# Altium PCB FlatSat.PcbDoc (part 5 of 12)
Units mil, origin at the board's own origin, x right, y up, seen from the top; angles counter-clockwise.
Board outline 4682 x 22047 mil, 4 copper layers (Top Layer, STR GND 1, STR GND 2, Bottom Layer), stack 33.434 mil thick; 381 components, 345 nets, 1605 pads, 1915 vias.
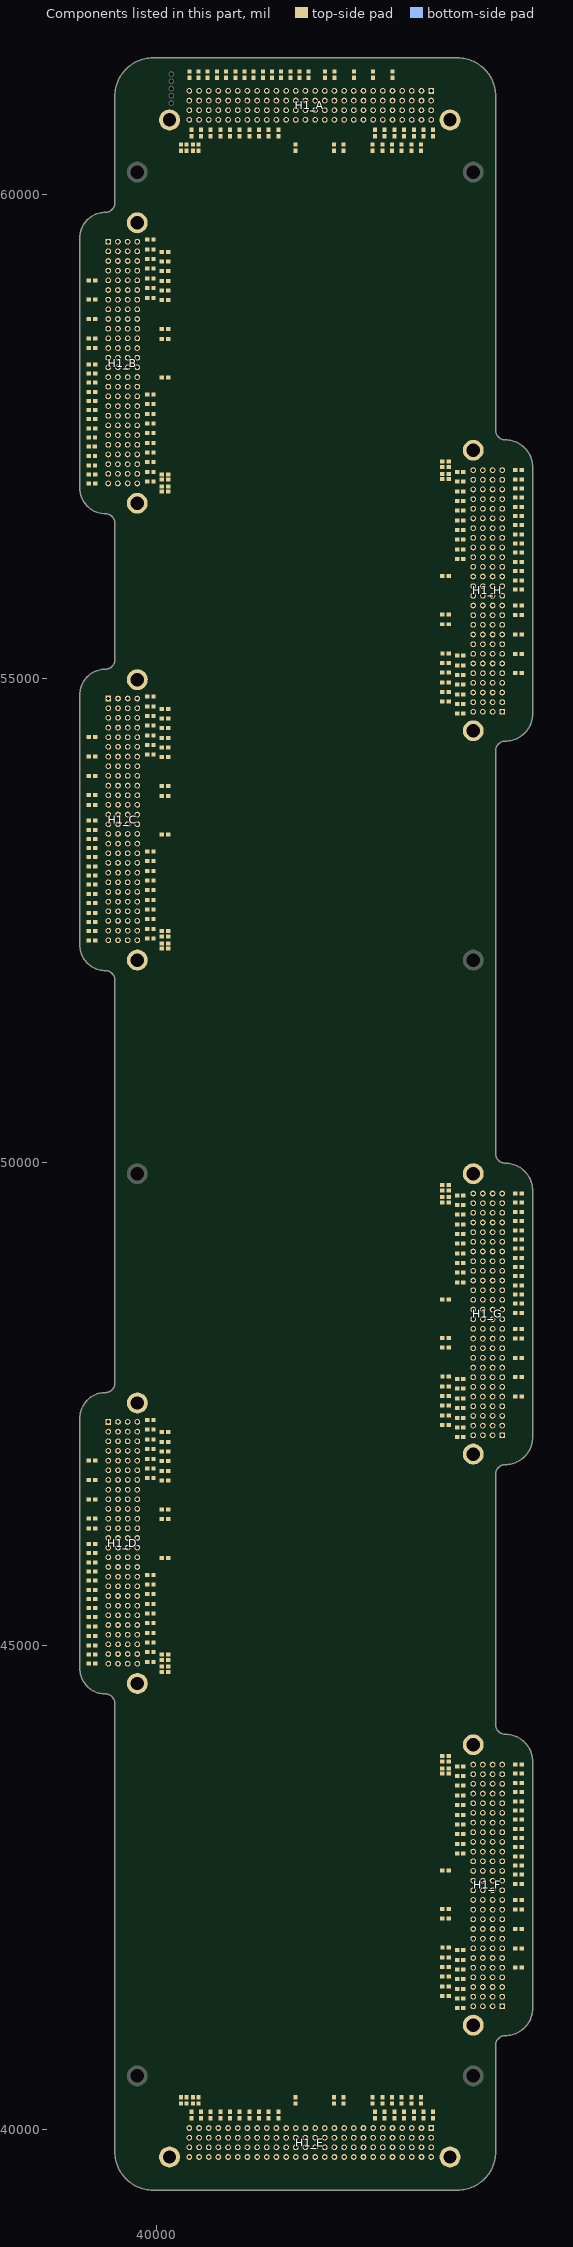
[diagram p7: the components of this part, seen from the top]

## Design rules (kind name [scope] priority, off if disabled: settings) (continued)
Width "Schematic Width Constraint_103" [InNet('NetH1_D_20')] p985: maxlimit=10 minlimit=8 preferedwidth=8
Width "Schematic Width Constraint_102" [InNet('NetH1_D_14')] p986: maxlimit=10 minlimit=8 preferedwidth=8
Width "Schematic Width Constraint_101" [InNet('NetH1_D_13')] p987: maxlimit=10 minlimit=8 preferedwidth=8
Width "Schematic Width Constraint_100" [InNet('NetH1_D_12')] p988: maxlimit=10 minlimit=8 preferedwidth=8
Width "Schematic Width Constraint_99" [InNet('NetH1_D_11')] p989: maxlimit=10 minlimit=8 preferedwidth=8
Width "Schematic Width Constraint_98" [InNet('NetH1_D_10')] p990: maxlimit=10 minlimit=8 preferedwidth=8
Width "Schematic Width Constraint_97" [InNet('NetH1_D_9')] p991: maxlimit=10 minlimit=8 preferedwidth=8
Width "Schematic Width Constraint_96" [InNet('NetH1_D_8')] p992: maxlimit=10 minlimit=8 preferedwidth=8
Width "Schematic Width Constraint_95" [InNet('NetH1_D_7')] p993: maxlimit=10 minlimit=8 preferedwidth=8
Width "Schematic Width Constraint_94" [InNet('NetH1_D_6')] p994: maxlimit=10 minlimit=8 preferedwidth=8
Width "Schematic Width Constraint_93" [InNet('NetH1_D_5')] p995: maxlimit=10 minlimit=8 preferedwidth=8
Width "Schematic Width Constraint_92" [InNet('NetH1_D_4')] p996: maxlimit=10 minlimit=8 preferedwidth=8
Width "Schematic Width Constraint_91" [InNet('NetH1_D_3')] p997: maxlimit=10 minlimit=8 preferedwidth=8
Width "Schematic Width Constraint_90" [InNet('NetH1_D_1')] p998: maxlimit=10 minlimit=8 preferedwidth=8
Width "Schematic Width Constraint_89" [InNet('NetH1_C_104')] p999: maxlimit=10 minlimit=8 preferedwidth=8
Width "Schematic Width Constraint_88" [InNet('NetH1_C_103')] p1000: maxlimit=10 minlimit=8 preferedwidth=8
Width "Schematic Width Constraint_87" [InNet('NetH1_C_102')] p1001: maxlimit=10 minlimit=8 preferedwidth=8
Width "Schematic Width Constraint_86" [InNet('NetH1_C_101')] p1002: maxlimit=10 minlimit=8 preferedwidth=8
Width "Schematic Width Constraint_85" [InNet('NetH1_C_51')] p1003: maxlimit=10 minlimit=8 preferedwidth=8
Width "Schematic Width Constraint_84" [InNet('NetH1_C_49')] p1004: maxlimit=10 minlimit=8 preferedwidth=8
Width "Schematic Width Constraint_83" [InNet('NetH1_C_47')] p1005: maxlimit=10 minlimit=8 preferedwidth=8
Width "Schematic Width Constraint_82" [InNet('NetH1_C_45')] p1006: maxlimit=10 minlimit=8 preferedwidth=8
Width "Schematic Width Constraint_81" [InNet('NetH1_C_43')] p1007: maxlimit=10 minlimit=8 preferedwidth=8
Width "Schematic Width Constraint_80" [InNet('NetH1_C_41')] p1008: maxlimit=10 minlimit=8 preferedwidth=8
Width "Schematic Width Constraint_79" [InNet('NetH1_C_39')] p1009: maxlimit=10 minlimit=8 preferedwidth=8
Width "Schematic Width Constraint_78" [InNet('NetH1_C_37')] p1010: maxlimit=10 minlimit=8 preferedwidth=8
Width "Schematic Width Constraint_77" [InNet('NetH1_C_35')] p1011: maxlimit=10 minlimit=8 preferedwidth=8
Width "Schematic Width Constraint_76" [InNet('NetH1_C_33')] p1012: maxlimit=10 minlimit=8 preferedwidth=8
Width "Schematic Width Constraint_75" [InNet('NetH1_C_30')] p1013: maxlimit=10 minlimit=8 preferedwidth=8
Width "Schematic Width Constraint_74" [InNet('NetH1_C_22')] p1014: maxlimit=10 minlimit=8 preferedwidth=8
Width "Schematic Width Constraint_73" [InNet('NetH1_C_20')] p1015: maxlimit=10 minlimit=8 preferedwidth=8
Width "Schematic Width Constraint_72" [InNet('NetH1_C_14')] p1016: maxlimit=10 minlimit=8 preferedwidth=8
Width "Schematic Width Constraint_71" [InNet('NetH1_C_13')] p1017: maxlimit=10 minlimit=8 preferedwidth=8
Width "Schematic Width Constraint_70" [InNet('NetH1_C_12')] p1018: maxlimit=10 minlimit=8 preferedwidth=8
Width "Schematic Width Constraint_69" [InNet('NetH1_C_11')] p1019: maxlimit=10 minlimit=8 preferedwidth=8
Width "Schematic Width Constraint_68" [InNet('NetH1_C_10')] p1020: maxlimit=10 minlimit=8 preferedwidth=8
Width "Schematic Width Constraint_67" [InNet('NetH1_C_9')] p1021: maxlimit=10 minlimit=8 preferedwidth=8
Width "Schematic Width Constraint_66" [InNet('NetH1_C_8')] p1022: maxlimit=10 minlimit=8 preferedwidth=8
Width "Schematic Width Constraint_65" [InNet('NetH1_C_7')] p1023: maxlimit=10 minlimit=8 preferedwidth=8
Width "Schematic Width Constraint_64" [InNet('NetH1_C_6')] p1024: maxlimit=10 minlimit=8 preferedwidth=8
Width "Schematic Width Constraint_63" [InNet('NetH1_C_5')] p1025: maxlimit=10 minlimit=8 preferedwidth=8
Width "Schematic Width Constraint_62" [InNet('NetH1_C_4')] p1026: maxlimit=10 minlimit=8 preferedwidth=8
Width "Schematic Width Constraint_61" [InNet('NetH1_C_3')] p1027: maxlimit=10 minlimit=8 preferedwidth=8
Width "Schematic Width Constraint_60" [InNet('NetH1_C_1')] p1028: maxlimit=10 minlimit=8 preferedwidth=8
Width "Schematic Width Constraint_59" [InNet('NetH1_B_104')] p1029: maxlimit=10 minlimit=8 preferedwidth=8
Width "Schematic Width Constraint_58" [InNet('NetH1_B_103')] p1030: maxlimit=10 minlimit=8 preferedwidth=8
Width "Schematic Width Constraint_57" [InNet('NetH1_B_102')] p1031: maxlimit=10 minlimit=8 preferedwidth=8
Width "Schematic Width Constraint_56" [InNet('NetH1_B_101')] p1032: maxlimit=10 minlimit=8 preferedwidth=8
Width "Schematic Width Constraint_55" [InNet('NetH1_B_51')] p1033: maxlimit=10 minlimit=8 preferedwidth=8
Width "Schematic Width Constraint_54" [InNet('NetH1_B_49')] p1034: maxlimit=10 minlimit=8 preferedwidth=8
Width "Schematic Width Constraint_53" [InNet('NetH1_B_47')] p1035: maxlimit=10 minlimit=8 preferedwidth=8
Width "Schematic Width Constraint_52" [InNet('NetH1_B_45')] p1036: maxlimit=10 minlimit=8 preferedwidth=8
Width "Schematic Width Constraint_51" [InNet('NetH1_B_43')] p1037: maxlimit=10 minlimit=8 preferedwidth=8
Width "Schematic Width Constraint_50" [InNet('NetH1_B_41')] p1038: maxlimit=10 minlimit=8 preferedwidth=8
Width "Schematic Width Constraint_49" [InNet('NetH1_B_39')] p1039: maxlimit=10 minlimit=8 preferedwidth=8
Width "Schematic Width Constraint_48" [InNet('NetH1_B_37')] p1040: maxlimit=10 minlimit=8 preferedwidth=8
Width "Schematic Width Constraint_47" [InNet('NetH1_B_35')] p1041: maxlimit=10 minlimit=8 preferedwidth=8
Width "Schematic Width Constraint_46" [InNet('NetH1_B_33')] p1042: maxlimit=10 minlimit=8 preferedwidth=8
Width "Schematic Width Constraint_45" [InNet('NetH1_B_30')] p1043: maxlimit=10 minlimit=8 preferedwidth=8
Width "Schematic Width Constraint_44" [InNet('NetH1_B_22')] p1044: maxlimit=10 minlimit=8 preferedwidth=8
Width "Schematic Width Constraint_43" [InNet('NetH1_B_20')] p1045: maxlimit=10 minlimit=8 preferedwidth=8
Width "Schematic Width Constraint_42" [InNet('NetH1_B_14')] p1046: maxlimit=10 minlimit=8 preferedwidth=8
Width "Schematic Width Constraint_41" [InNet('NetH1_B_13')] p1047: maxlimit=10 minlimit=8 preferedwidth=8
Width "Schematic Width Constraint_40" [InNet('NetH1_B_12')] p1048: maxlimit=10 minlimit=8 preferedwidth=8
Width "Schematic Width Constraint_39" [InNet('NetH1_B_11')] p1049: maxlimit=10 minlimit=8 preferedwidth=8
Width "Schematic Width Constraint_38" [InNet('NetH1_B_10')] p1050: maxlimit=10 minlimit=8 preferedwidth=8
Width "Schematic Width Constraint_37" [InNet('NetH1_B_9')] p1051: maxlimit=10 minlimit=8 preferedwidth=8
Width "Schematic Width Constraint_36" [InNet('NetH1_B_8')] p1052: maxlimit=10 minlimit=8 preferedwidth=8
Width "Schematic Width Constraint_35" [InNet('NetH1_B_7')] p1053: maxlimit=10 minlimit=8 preferedwidth=8
Width "Schematic Width Constraint_34" [InNet('NetH1_B_6')] p1054: maxlimit=10 minlimit=8 preferedwidth=8
Width "Schematic Width Constraint_33" [InNet('NetH1_B_5')] p1055: maxlimit=10 minlimit=8 preferedwidth=8
Width "Schematic Width Constraint_32" [InNet('NetH1_B_4')] p1056: maxlimit=10 minlimit=8 preferedwidth=8
Width "Schematic Width Constraint_31" [InNet('NetH1_B_3')] p1057: maxlimit=10 minlimit=8 preferedwidth=8
Width "Schematic Width Constraint_30" [InNet('NetH1_B_1')] p1058: maxlimit=10 minlimit=8 preferedwidth=8
Width "Schematic Width Constraint_29" [InNet('NetH1_A_104')] p1059: maxlimit=10 minlimit=8 preferedwidth=8
Width "Schematic Width Constraint_28" [InNet('NetH1_A_103')] p1060: maxlimit=10 minlimit=8 preferedwidth=8
Width "Schematic Width Constraint_27" [InNet('NetH1_A_102')] p1061: maxlimit=10 minlimit=8 preferedwidth=8
Width "Schematic Width Constraint_26" [InNet('NetH1_A_101')] p1062: maxlimit=10 minlimit=8 preferedwidth=8
Width "Schematic Width Constraint_25" [InNet('NetH1_A_51')] p1063: maxlimit=10 minlimit=8 preferedwidth=8
Width "Schematic Width Constraint_24" [InNet('NetH1_A_49')] p1064: maxlimit=10 minlimit=8 preferedwidth=8
Width "Schematic Width Constraint_23" [InNet('NetH1_A_47')] p1065: maxlimit=10 minlimit=8 preferedwidth=8
Width "Schematic Width Constraint_22" [InNet('NetH1_A_45')] p1066: maxlimit=10 minlimit=8 preferedwidth=8
Width "Schematic Width Constraint_21" [InNet('NetH1_A_43')] p1067: maxlimit=10 minlimit=8 preferedwidth=8
Width "Schematic Width Constraint_20" [InNet('NetH1_A_41')] p1068: maxlimit=10 minlimit=8 preferedwidth=8
Width "Schematic Width Constraint_19" [InNet('NetH1_A_39')] p1069: maxlimit=10 minlimit=8 preferedwidth=8
Width "Schematic Width Constraint_18" [InNet('NetH1_A_37')] p1070: maxlimit=10 minlimit=8 preferedwidth=8
Width "Schematic Width Constraint_17" [InNet('NetH1_A_35')] p1071: maxlimit=10 minlimit=8 preferedwidth=8
Width "Schematic Width Constraint_16" [InNet('NetH1_A_33')] p1072: maxlimit=10 minlimit=8 preferedwidth=8
Width "Schematic Width Constraint_15" [InNet('NetH1_A_30')] p1073: maxlimit=10 minlimit=8 preferedwidth=8
Width "Schematic Width Constraint_14" [InNet('NetH1_A_22')] p1074: maxlimit=10 minlimit=8 preferedwidth=8
Width "Schematic Width Constraint_13" [InNet('NetH1_A_20')] p1075: maxlimit=10 minlimit=8 preferedwidth=8
Width "Schematic Width Constraint_12" [InNet('NetH1_A_14')] p1076: maxlimit=10 minlimit=8 preferedwidth=8
Width "Schematic Width Constraint_11" [InNet('NetH1_A_13')] p1077: maxlimit=10 minlimit=8 preferedwidth=8
Width "Schematic Width Constraint_10" [InNet('NetH1_A_12')] p1078: maxlimit=10 minlimit=8 preferedwidth=8
Width "Schematic Width Constraint_9" [InNet('NetH1_A_11')] p1079: maxlimit=10 minlimit=8 preferedwidth=8
Width "Schematic Width Constraint_8" [InNet('NetH1_A_10')] p1080: maxlimit=10 minlimit=8 preferedwidth=8
Width "Schematic Width Constraint_7" [InNet('NetH1_A_9')] p1081: maxlimit=10 minlimit=8 preferedwidth=8
Width "Schematic Width Constraint_6" [InNet('NetH1_A_8')] p1082: maxlimit=10 minlimit=8 preferedwidth=8
Width "Schematic Width Constraint_5" [InNet('NetH1_A_7')] p1083: maxlimit=10 minlimit=8 preferedwidth=8
Width "Schematic Width Constraint_4" [InNet('NetH1_A_6')] p1084: maxlimit=10 minlimit=8 preferedwidth=8
Width "Schematic Width Constraint_3" [InNet('NetH1_A_5')] p1085: maxlimit=10 minlimit=8 preferedwidth=8
Width "Schematic Width Constraint_2" [InNet('NetH1_A_4')] p1086: maxlimit=10 minlimit=8 preferedwidth=8
Width "Schematic Width Constraint_1" [InNet('NetH1_A_3')] p1087: maxlimit=10 minlimit=8 preferedwidth=8
Width "Schematic Width Constraint" [InNet('NetH1_A_1')] p1088: maxlimit=10 minlimit=8 preferedwidth=8
Width [All] p1089: maxlimit=40 minlimit=6 preferedwidth=24
26 further rules are at their usual default settings.

## Classes and differential pairs
component class G: H1_G J40_G J42_G J44_G J45_G J46_G J48_G J50_G J52_G J61_G J66_G J69_G J71_G J74_G J81_G J82_G J83_G J84_G J99_G J100_G R1_G R3_G R4_G R5_G R6_G R7_G R8_G R9_G R10_G R11_G R12_G R13_G R14_G R20_G R22_G R30_G R33_G R35_G R37_G R39_G R41_G R43_G R45_G R47_G R49_G R51_G R101_G R102_G R103_G R104_G
component class F: H1_F J40_F J42_F J44_F J45_F J46_F J48_F J50_F J52_F J61_F J66_F J69_F J71_F J74_F J81_F J82_F J83_F J84_F J99_F J100_F R1_F R3_F R4_F R5_F R6_F R7_F R8_F R9_F R10_F R11_F R12_F R13_F R14_F R20_F R22_F R30_F R33_F R35_F R37_F R39_F R41_F R43_F R45_F R47_F R49_F R51_F R101_F R102_F R103_F R104_F
component class E: H1_E R1_E R3_E R4_E R5_E R6_E R7_E R8_E R9_E R10_E R11_E R12_E R13_E R14_E R20_E R22_E R30_E R33_E R35_E R37_E R39_E R41_E R43_E R45_E R47_E R49_E R51_E R101_E R102_E R103_E R104_E
component class D: H1_D J40_D J42_D J44_D J45_D J46_D J48_D J50_D J52_D J61_D J66_D J69_D J71_D J74_D J81_D J82_D J83_D J84_D J99_D J100_D R1_D R3_D R4_D R5_D R6_D R7_D R8_D R9_D R10_D R11_D R12_D R13_D R14_D R20_D R22_D R30_D R33_D R35_D R37_D R39_D R41_D R43_D R45_D R47_D R49_D R51_D R101_D R102_D R103_D R104_D
component class C: H1_C J40_C J42_C J44_C J45_C J46_C J48_C J50_C J52_C J61_C J66_C J69_C J71_C J74_C J81_C J82_C J83_C J84_C J99_C J100_C R1_C R3_C R4_C R5_C R6_C R7_C R8_C R9_C R10_C R11_C R12_C R13_C R14_C R20_C R22_C R30_C R33_C R35_C R37_C R39_C R41_C R43_C R45_C R47_C R49_C R51_C R101_C R102_C R103_C R104_C
channel class FlatSat-PC-104: A B C D E F G H
component class B: H1_B J40_B J42_B J44_B J45_B J46_B J48_B J50_B J52_B J61_B J66_B J69_B J71_B J74_B J81_B J82_B J83_B J84_B J99_B J100_B R1_B R3_B R4_B R5_B R6_B R7_B R8_B R9_B R10_B R11_B R12_B R13_B R14_B R20_B R22_B R30_B R33_B R35_B R37_B R39_B R41_B R43_B R45_B R47_B R49_B R51_B R101_B R102_B R103_B R104_B
component class A: H1_A J40_A J42_A J44_A J45_A J46_A J48_A J50_A J52_A J61_A J66_A J69_A J71_A J74_A J81_A J82_A J83_A J84_A J99_A J100_A R1_A R3_A R4_A R5_A R6_A R7_A R8_A R9_A R10_A R11_A R12_A R13_A R14_A R20_A R22_A R30_A R33_A R35_A R37_A R39_A R41_A R43_A R45_A R47_A R49_A R51_A R101_A R102_A R103_A R104_A
component class H: H1_H J40_H J42_H J44_H J45_H J46_H J48_H J50_H J52_H J61_H J66_H J69_H J71_H J74_H J81_H J82_H J83_H J84_H J99_H J100_H R1_H R3_H R4_H R5_H R6_H R7_H R8_H R9_H R10_H R11_H R12_H R13_H R14_H R20_H R22_H R30_H R33_H R35_H R37_H R39_H R41_H R43_H R45_H R47_H R49_H R51_H R101_H R102_H R103_H R104_H

## Components (designator, comment, footprint, x,y, rotation, side; value= is the part's Value field where it differs from the comment)
H1_A "MOVE-II PC104" EPS 43387,64351 r180 top locked (schematic designator H1)
H1_B "MOVE-II PC104" EPS 36223,60067 r270 top locked (schematic designator H1)
H1_C "MOVE-II PC104" EPS 36224,55343 r270 top locked (schematic designator H1)
H1_D "MOVE-II PC104" EPS 36224,47863 r270 top locked (schematic designator H1)
H1_E "MOVE-II PC104" EPS 43387,43287 r180 top locked (schematic designator H1)
H1_F "MOVE-II PC104" EPS 46847,40720 r90 top locked (schematic designator H1)
H1_G "MOVE-II PC104" EPS 46847,46625 r90 top locked (schematic designator H1)
H1_H "MOVE-II PC104" EPS 46847,54105 r90 top locked (schematic designator H1)
J40_A "CRCW06030000Z0EA" RESC1609X55X30ML10T20 41190.31,61244 r90 top (schematic designator J40)
J40_B "CRCW06030000Z0EA" RESC1609X55X30ML10T20 39330,57870.28 r180 top (schematic designator J40)
J40_C "CRCW06030000Z0EA" RESC1609X55X30ML10T20 39330,53151.93 r180 top (schematic designator J40)
J40_D "CRCW06030000Z0EA" RESC1609X55X30ML10T20 39330,45671.93 r180 top (schematic designator J40)
J40_F "CRCW06030000Z0EA" RESC1609X55X30ML10T20 43740,42916.07 r0 top (schematic designator J40)
J40_G "CRCW06030000Z0EA" RESC1609X55X30ML10T20 43740,48821.07 r0 top (schematic designator J40)
J40_H "CRCW06030000Z0EA" RESC1609X55X30ML10T20 43740,56301.07 r0 top (schematic designator J40)
J42_A "CRCW06030000Z0EA" RESC1609X55X30ML10T20 41095.66,61244 r90 top (schematic designator J42)
J42_B "CRCW06030000Z0EA" RESC1609X55X30ML10T20 39330,57775.62 r180 top (schematic designator J42)
J42_C "CRCW06030000Z0EA" RESC1609X55X30ML10T20 39330,53057.28 r180 top (schematic designator J42)
J42_D "CRCW06030000Z0EA" RESC1609X55X30ML10T20 39330,45577.28 r180 top (schematic designator J42)
J42_F "CRCW06030000Z0EA" RESC1609X55X30ML10T20 43740,43010.72 r0 top (schematic designator J42)
J42_G "CRCW06030000Z0EA" RESC1609X55X30ML10T20 43740,48915.72 r0 top (schematic designator J42)
J42_H "CRCW06030000Z0EA" RESC1609X55X30ML10T20 43740,56395.72 r0 top (schematic designator J42)
J44_A "CRCW06030000Z0EA" RESC1609X55X30ML10T20 41001,61244 r90 top (schematic designator J44)
J44_B "CRCW06030000Z0EA" RESC1609X55X30ML10T20 39330,57680.97 r180 top (schematic designator J44)
J44_C "CRCW06030000Z0EA" RESC1609X55X30ML10T20 39330,52962.62 r180 top (schematic designator J44)
J44_D "CRCW06030000Z0EA" RESC1609X55X30ML10T20 39330,45482.62 r180 top (schematic designator J44)
J44_F "CRCW06030000Z0EA" RESC1609X55X30ML10T20 43740,43105.38 r0 top (schematic designator J44)
J44_G "CRCW06030000Z0EA" RESC1609X55X30ML10T20 43740,49010.38 r0 top (schematic designator J44)
J44_H "CRCW06030000Z0EA" RESC1609X55X30ML10T20 43740,56490.38 r0 top (schematic designator J44)
J45_A "CRCW06030000Z0EA" RESC1609X55X30ML10T20 40906.31,61244 r90 top (schematic designator J45)
J45_B "CRCW06030000Z0EA" RESC1609X55X30ML10T20 39330,57586.31 r180 top (schematic designator J45)
J45_C "CRCW06030000Z0EA" RESC1609X55X30ML10T20 39330,52867.97 r180 top (schematic designator J45)
J45_D "CRCW06030000Z0EA" RESC1609X55X30ML10T20 39330,45387.97 r180 top (schematic designator J45)
J45_F "CRCW06030000Z0EA" RESC1609X55X30ML10T20 43740,43200.03 r0 top (schematic designator J45)
J45_G "CRCW06030000Z0EA" RESC1609X55X30ML10T20 43740,49105.03 r0 top (schematic designator J45)
J45_H "CRCW06030000Z0EA" RESC1609X55X30ML10T20 43740,56585.03 r0 top (schematic designator J45)
J46_A "CRCW06030000Z0EA" RESC1609X55X30ML10T20 40811.66,61244 r90 top (schematic designator J46)
J46_B "CRCW06030000Z0EA" RESC1609X55X30ML10T20 39328,57491.66 r180 top (schematic designator J46)
J46_C "CRCW06030000Z0EA" RESC1609X55X30ML10T20 39330,52773.31 r180 top (schematic designator J46)
J46_D "CRCW06030000Z0EA" RESC1609X55X30ML10T20 39330,45293.31 r180 top (schematic designator J46)
J46_F "CRCW06030000Z0EA" RESC1609X55X30ML10T20 43740,43294.69 r0 top (schematic designator J46)
J46_G "CRCW06030000Z0EA" RESC1609X55X30ML10T20 43740,49199.69 r0 top (schematic designator J46)
J46_H "CRCW06030000Z0EA" RESC1609X55X30ML10T20 43740,56679.69 r0 top (schematic designator J46)
J48_A "CRCW06030000Z0EA" RESC1609X55X30ML10T20 40620,61244 r90 top (schematic designator J48)
J48_B "CRCW06030000Z0EA" RESC1609X55X30ML10T20 39329,57300 r180 top (schematic designator J48)
J48_C "CRCW06030000Z0EA" RESC1609X55X30ML10T20 39330,52577.31 r180 top (schematic designator J48)
J48_D "CRCW06030000Z0EA" RESC1609X55X30ML10T20 39330,45097.31 r180 top (schematic designator J48)
J48_F "CRCW06030000Z0EA" RESC1609X55X30ML10T20 43740,43485.69 r0 top (schematic designator J48)
J48_G "CRCW06030000Z0EA" RESC1609X55X30ML10T20 43740,49390.69 r0 top (schematic designator J48)
J48_H "CRCW06030000Z0EA" RESC1609X55X30ML10T20 43740,56870.69 r0 top (schematic designator J48)
J50_A "CRCW06030000Z0EA" RESC1609X55X30ML10T20 40430.34,61244 r90 top (schematic designator J50)
J50_B "CRCW06030000Z0EA" RESC1609X55X30ML10T20 39330,57110.34 r180 top (schematic designator J50)
J50_C "CRCW06030000Z0EA" RESC1609X55X30ML10T20 39330,52388 r180 top (schematic designator J50)
J50_D "CRCW06030000Z0EA" RESC1609X55X30ML10T20 39330,44908 r180 top (schematic designator J50)
J50_F "CRCW06030000Z0EA" RESC1609X55X30ML10T20 43740,43675 r0 top (schematic designator J50)
J50_G "CRCW06030000Z0EA" RESC1609X55X30ML10T20 43740,49580 r0 top (schematic designator J50)
J50_H "CRCW06030000Z0EA" RESC1609X55X30ML10T20 43740,57060 r0 top (schematic designator J50)
J52_A "CRCW06030000Z0EA" RESC1609X55X30ML10T20 40335.69,61244 r90 top (schematic designator J52)
J52_B "CRCW06030000Z0EA" RESC1609X55X30ML10T20 39330,57015.69 r180 top (schematic designator J52)
J52_C "CRCW06030000Z0EA" RESC1609X55X30ML10T20 39330,52293 r180 top (schematic designator J52)
J52_D "CRCW06030000Z0EA" RESC1609X55X30ML10T20 39330,44813 r180 top (schematic designator J52)
J52_F "CRCW06030000Z0EA" RESC1609X55X30ML10T20 43740,43770 r0 top (schematic designator J52)
J52_G "CRCW06030000Z0EA" RESC1609X55X30ML10T20 43740,49675 r0 top (schematic designator J52)
J52_H "CRCW06030000Z0EA" RESC1609X55X30ML10T20 43740,57155 r0 top (schematic designator J52)
J61_A "CRCW06030000Z0EA" RESC1609X55X30ML10T20 42437,61244 r270 top (schematic designator J61)
J61_B "CRCW06030000Z0EA" RESC1609X55X30ML10T20 39330,59117 r0 top (schematic designator J61)
J61_C "CRCW06030000Z0EA" RESC1609X55X30ML10T20 39330,54393 r0 top (schematic designator J61)
J61_D "CRCW06030000Z0EA" RESC1609X55X30ML10T20 39330,46913 r0 top (schematic designator J61)
J61_F "CRCW06030000Z0EA" RESC1609X55X30ML10T20 43740,41670 r180 top (schematic designator J61)
J61_G "CRCW06030000Z0EA" RESC1609X55X30ML10T20 43740,47575 r180 top (schematic designator J61)
J61_H "CRCW06030000Z0EA" RESC1609X55X30ML10T20 43740,55055 r180 top (schematic designator J61)
J66_A "CRCW06030000Z0EA" RESC1609X55X30ML10T20 42237,61244 r90 top (schematic designator J66)
J66_B "CRCW06030000Z0EA" RESC1609X55X30ML10T20 39330,58917 r180 top (schematic designator J66)
J66_C "CRCW06030000Z0EA" RESC1609X55X30ML10T20 39330,54193 r180 top (schematic designator J66)
J66_D "CRCW06030000Z0EA" RESC1609X55X30ML10T20 39330,46713 r180 top (schematic designator J66)
J66_F "CRCW06030000Z0EA" RESC1609X55X30ML10T20 43740,41870 r0 top (schematic designator J66)
J66_G "CRCW06030000Z0EA" RESC1609X55X30ML10T20 43740,47775 r0 top (schematic designator J66)
J66_H "CRCW06030000Z0EA" RESC1609X55X30ML10T20 43740,55255 r0 top (schematic designator J66)
J69_A "CRCW06030000Z0EA" RESC1609X55X30ML10T20 42037,61244 r270 top (schematic designator J69)
J69_B "CRCW06030000Z0EA" RESC1609X55X30ML10T20 39330,58717 r0 top (schematic designator J69)
J69_C "CRCW06030000Z0EA" RESC1609X55X30ML10T20 39330,53993 r0 top (schematic designator J69)
J69_D "CRCW06030000Z0EA" RESC1609X55X30ML10T20 39330,46513 r0 top (schematic designator J69)
J69_F "CRCW06030000Z0EA" RESC1609X55X30ML10T20 43740,42070 r180 top (schematic designator J69)
J69_G "CRCW06030000Z0EA" RESC1609X55X30ML10T20 43740,47975 r180 top (schematic designator J69)
J69_H "CRCW06030000Z0EA" RESC1609X55X30ML10T20 43740,55455 r180 top (schematic designator J69)
J71_A "CRCW06030000Z0EA" RESC1609X55X30ML10T20 41837,61244 r270 top (schematic designator J71)
J71_B "CRCW06030000Z0EA" RESC1609X55X30ML10T20 39330,58517 r0 top (schematic designator J71)
J71_C "CRCW06030000Z0EA" RESC1609X55X30ML10T20 39330,53793 r0 top (schematic designator J71)
J71_D "CRCW06030000Z0EA" RESC1609X55X30ML10T20 39330,46313 r0 top (schematic designator J71)
J71_F "CRCW06030000Z0EA" RESC1609X55X30ML10T20 43740,42270 r180 top (schematic designator J71)
J71_G "CRCW06030000Z0EA" RESC1609X55X30ML10T20 43740,48175 r180 top (schematic designator J71)
J71_H "CRCW06030000Z0EA" RESC1609X55X30ML10T20 43740,55655 r180 top (schematic designator J71)
J74_A "CRCW06030000Z0EA" RESC1609X55X30ML10T20 41737,61244 r90 top (schematic designator J74)
J74_B "CRCW06030000Z0EA" RESC1609X55X30ML10T20 39330,58417 r180 top (schematic designator J74)
J74_C "CRCW06030000Z0EA" RESC1609X55X30ML10T20 39330,53693 r180 top (schematic designator J74)
J74_D "CRCW06030000Z0EA" RESC1609X55X30ML10T20 39330,46213 r180 top (schematic designator J74)
J74_F "CRCW06030000Z0EA" RESC1609X55X30ML10T20 43740,42370 r0 top (schematic designator J74)
J74_G "CRCW06030000Z0EA" RESC1609X55X30ML10T20 43740,48275 r0 top (schematic designator J74)
J74_H "CRCW06030000Z0EA" RESC1609X55X30ML10T20 43740,55755 r0 top (schematic designator J74)
J81_A "CRCW06030000Z0EA" RESC1609X55X30ML10T20 41569.97,61244 r270 top (schematic designator J81)
J81_B "CRCW06030000Z0EA" RESC1609X55X30ML10T20 39330,58248.9 r0 top (schematic designator J81)
J81_C "CRCW06030000Z0EA" RESC1609X55X30ML10T20 39330,53530.56 r0 top (schematic designator J81)
J81_D "CRCW06030000Z0EA" RESC1609X55X30ML10T20 39330,46050.56 r0 top (schematic designator J81)
J81_F "CRCW06030000Z0EA" RESC1609X55X30ML10T20 43740,42536.03 r180 top (schematic designator J81)
J81_G "CRCW06030000Z0EA" RESC1609X55X30ML10T20 43740,48441.03 r180 top (schematic designator J81)
J81_H "CRCW06030000Z0EA" RESC1609X55X30ML10T20 43740,55921.03 r180 top (schematic designator J81)
J82_A "CRCW06030000Z0EA" RESC1609X55X30ML10T20 41475.31,61244 r90 top (schematic designator J82)
J82_B "CRCW06030000Z0EA" RESC1609X55X30ML10T20 39330,58154.24 r180 top (schematic designator J82)
J82_C "CRCW06030000Z0EA" RESC1609X55X30ML10T20 39330,53435.9 r180 top (schematic designator J82)
J82_D "CRCW06030000Z0EA" RESC1609X55X30ML10T20 39330,45955.9 r180 top (schematic designator J82)
J82_F "CRCW06030000Z0EA" RESC1609X55X30ML10T20 43740,42630.69 r0 top (schematic designator J82)
J82_G "CRCW06030000Z0EA" RESC1609X55X30ML10T20 43740,48535.69 r0 top (schematic designator J82)
J82_H "CRCW06030000Z0EA" RESC1609X55X30ML10T20 43740,56015.69 r0 top (schematic designator J82)
J83_A "CRCW06030000Z0EA" RESC1609X55X30ML10T20 41380.66,61244 r270 top (schematic designator J83)
J83_B "CRCW06030000Z0EA" RESC1609X55X30ML10T20 39330,58059.59 r0 top (schematic designator J83)
J83_C "CRCW06030000Z0EA" RESC1609X55X30ML10T20 39330,53341.24 r0 top (schematic designator J83)
J83_D "CRCW06030000Z0EA" RESC1609X55X30ML10T20 39330,45861.24 r0 top (schematic designator J83)
J83_F "CRCW06030000Z0EA" RESC1609X55X30ML10T20 43740,42725.34 r180 top (schematic designator J83)
J83_G "CRCW06030000Z0EA" RESC1609X55X30ML10T20 43740,48630.34 r180 top (schematic designator J83)
J83_H "CRCW06030000Z0EA" RESC1609X55X30ML10T20 43740,56110.34 r180 top (schematic designator J83)
J84_A "CRCW06030000Z0EA" RESC1609X55X30ML10T20 41286,61244 r90 top (schematic designator J84)
J84_B "CRCW06030000Z0EA" RESC1609X55X30ML10T20 39330,57964.93 r180 top (schematic designator J84)
J84_C "CRCW06030000Z0EA" RESC1609X55X30ML10T20 39330,53246.59 r180 top (schematic designator J84)
J84_D "CRCW06030000Z0EA" RESC1609X55X30ML10T20 39330,45766.59 r180 top (schematic designator J84)
J84_F "CRCW06030000Z0EA" RESC1609X55X30ML10T20 43740,42820 r0 top (schematic designator J84)
J84_G "CRCW06030000Z0EA" RESC1609X55X30ML10T20 43740,48725 r0 top (schematic designator J84)
J84_H "CRCW06030000Z0EA" RESC1609X55X30ML10T20 43740,56205 r0 top (schematic designator J84)
J99_A "CRCW06030000Z0EA" RESC1609X55X30ML10T20 40717,61244 r270 top (schematic designator J99)
J99_B "CRCW06030000Z0EA" RESC1609X55X30ML10T20 39327,57397 r0 top (schematic designator J99)
J99_C "CRCW06030000Z0EA" RESC1609X55X30ML10T20 39330,52678.66 r0 top (schematic designator J99)
J99_D "CRCW06030000Z0EA" RESC1609X55X30ML10T20 39330,45198.66 r0 top (schematic designator J99)
J99_F "CRCW06030000Z0EA" RESC1609X55X30ML10T20 43740,43389.34 r180 top (schematic designator J99)
J99_G "CRCW06030000Z0EA" RESC1609X55X30ML10T20 43740,49294.34 r180 top (schematic designator J99)
J99_H "CRCW06030000Z0EA" RESC1609X55X30ML10T20 43740,56774.34 r180 top (schematic designator J99)
J100_A "CRCW06030000Z0EA" RESC1609X55X30ML10T20 40525,61244 r90 top (schematic designator J100)
J100_B "CRCW06030000Z0EA" RESC1609X55X30ML10T20 39329,57205 r180 top (schematic designator J100)
J100_C "CRCW06030000Z0EA" RESC1609X55X30ML10T20 39330,52482.66 r180 top (schematic designator J100)
J100_D "CRCW06030000Z0EA" RESC1609X55X30ML10T20 39330,45002.66 r180 top (schematic designator J100)
J100_F "CRCW06030000Z0EA" RESC1609X55X30ML10T20 43740,43580.34 r0 top (schematic designator J100)
J100_G "CRCW06030000Z0EA" RESC1609X55X30ML10T20 43740,49485.34 r0 top (schematic designator J100)
J100_H "CRCW06030000Z0EA" RESC1609X55X30ML10T20 43740,56965.34 r0 top (schematic designator J100)
R1_A "CRCW06030000Z0EA" RESC1609X55X30ML10T20 42857,60641 r90 top (schematic designator R1)
R1_B "CRCW06030000Z0EA" RESC1609X55X30ML10T20 39933,59537 r180 top (schematic designator R1)
R1_C "CRCW06030000Z0EA" RESC1609X55X30ML10T20 39933,54812 r180 top (schematic designator R1)
R1_D "CRCW06030000Z0EA" RESC1609X55X30ML10T20 39933,47332 r180 top (schematic designator R1)
R1_E "CRCW06030000Z0EA" RESC1609X55X30ML10T20 42857,40146 r270 top (schematic designator R1)
R1_F "CRCW06030000Z0EA" RESC1609X55X30ML10T20 43138,41251 r0 top (schematic designator R1)
R1_G "CRCW06030000Z0EA" RESC1609X55X30ML10T20 43138,47156 r0 top (schematic designator R1)
R1_H "CRCW06030000Z0EA" RESC1609X55X30ML10T20 43138,54636 r0 top (schematic designator R1)
R3_A "CRCW06030000Z0EA" RESC1609X55X30ML10T20 42757,60641 r90 top (schematic designator R3)
R3_B "CRCW06030000Z0EA" RESC1609X55X30ML10T20 39933,59437 r180 top (schematic designator R3)
R3_C "CRCW06030000Z0EA" RESC1609X55X30ML10T20 39933,54712 r180 top (schematic designator R3)
R3_D "CRCW06030000Z0EA" RESC1609X55X30ML10T20 39933,47232 r180 top (schematic designator R3)
R3_E "CRCW06030000Z0EA" RESC1609X55X30ML10T20 42757,40146 r270 top (schematic designator R3)
R3_F "CRCW06030000Z0EA" RESC1609X55X30ML10T20 43138,41351 r0 top (schematic designator R3)
R3_G "CRCW06030000Z0EA" RESC1609X55X30ML10T20 43138,47256 r0 top (schematic designator R3)
R3_H "CRCW06030000Z0EA" RESC1609X55X30ML10T20 43138,54736 r0 top (schematic designator R3)
R4_A "CRCW06030000Z0EA" RESC1609X55X30ML10T20 42732,60489 r270 top (schematic designator R4)
R4_B "CRCW06030000Z0EA" RESC1609X55X30ML10T20 40085,59412 r0 top (schematic designator R4)
R4_C "CRCW06030000Z0EA" RESC1609X55X30ML10T20 40085,54687 r0 top (schematic designator R4)
R4_D "CRCW06030000Z0EA" RESC1609X55X30ML10T20 40085,47207 r0 top (schematic designator R4)
R4_E "CRCW06030000Z0EA" RESC1609X55X30ML10T20 42732,40298 r90 top (schematic designator R4)
R4_F "CRCW06030000Z0EA" RESC1609X55X30ML10T20 42986,41376 r180 top (schematic designator R4)
R4_G "CRCW06030000Z0EA" RESC1609X55X30ML10T20 42986,47281 r180 top (schematic designator R4)
R4_H "CRCW06030000Z0EA" RESC1609X55X30ML10T20 42986,54761 r180 top (schematic designator R4)
R5_A "CRCW06030000Z0EA" RESC1609X55X30ML10T20 42657,60641 r90 top (schematic designator R5)
R5_B "CRCW06030000Z0EA" RESC1609X55X30ML10T20 39933,59337 r180 top (schematic designator R5)
R5_C "CRCW06030000Z0EA" RESC1609X55X30ML10T20 39933,54612 r180 top (schematic designator R5)
R5_D "CRCW06030000Z0EA" RESC1609X55X30ML10T20 39933,47132 r180 top (schematic designator R5)
R5_E "CRCW06030000Z0EA" RESC1609X55X30ML10T20 42657,40146 r270 top (schematic designator R5)
R5_F "CRCW06030000Z0EA" RESC1609X55X30ML10T20 43138,41451 r0 top (schematic designator R5)
R5_G "CRCW06030000Z0EA" RESC1609X55X30ML10T20 43138,47356 r0 top (schematic designator R5)
R5_H "CRCW06030000Z0EA" RESC1609X55X30ML10T20 43138,54836 r0 top (schematic designator R5)
R6_A "CRCW06030000Z0EA" RESC1609X55X30ML10T20 42632,60489 r270 top (schematic designator R6)
R6_B "CRCW06030000Z0EA" RESC1609X55X30ML10T20 40085,59312 r0 top (schematic designator R6)
R6_C "CRCW06030000Z0EA" RESC1609X55X30ML10T20 40085,54587 r0 top (schematic designator R6)
R6_D "CRCW06030000Z0EA" RESC1609X55X30ML10T20 40085,47107 r0 top (schematic designator R6)
R6_E "CRCW06030000Z0EA" RESC1609X55X30ML10T20 42632,40298 r90 top (schematic designator R6)
R6_F "CRCW06030000Z0EA" RESC1609X55X30ML10T20 42986,41476 r180 top (schematic designator R6)
R6_G "CRCW06030000Z0EA" RESC1609X55X30ML10T20 42986,47381 r180 top (schematic designator R6)
R6_H "CRCW06030000Z0EA" RESC1609X55X30ML10T20 42986,54861 r180 top (schematic designator R6)
R7_A "CRCW06030000Z0EA" RESC1609X55X30ML10T20 42557,60641 r90 top (schematic designator R7)
R7_B "CRCW06030000Z0EA" RESC1609X55X30ML10T20 39933,59237 r180 top (schematic designator R7)
R7_C "CRCW06030000Z0EA" RESC1609X55X30ML10T20 39933,54512 r180 top (schematic designator R7)
R7_D "CRCW06030000Z0EA" RESC1609X55X30ML10T20 39933,47032 r180 top (schematic designator R7)
R7_E "CRCW06030000Z0EA" RESC1609X55X30ML10T20 42557,40146 r270 top (schematic designator R7)
R7_F "CRCW06030000Z0EA" RESC1609X55X30ML10T20 43138,41551 r0 top (schematic designator R7)
R7_G "CRCW06030000Z0EA" RESC1609X55X30ML10T20 43138,47456 r0 top (schematic designator R7)
R7_H "CRCW06030000Z0EA" RESC1609X55X30ML10T20 43138,54936 r0 top (schematic designator R7)
R8_A "CRCW06030000Z0EA" RESC1609X55X30ML10T20 42532,60489 r270 top (schematic designator R8)
R8_B "CRCW06030000Z0EA" RESC1609X55X30ML10T20 40085,59212 r0 top (schematic designator R8)
R8_C "CRCW06030000Z0EA" RESC1609X55X30ML10T20 40085,54487 r0 top (schematic designator R8)
R8_D "CRCW06030000Z0EA" RESC1609X55X30ML10T20 40085,47007 r0 top (schematic designator R8)
R8_E "CRCW06030000Z0EA" RESC1609X55X30ML10T20 42532,40298 r90 top (schematic designator R8)
R8_F "CRCW06030000Z0EA" RESC1609X55X30ML10T20 42986,41576 r180 top (schematic designator R8)
R8_G "CRCW06030000Z0EA" RESC1609X55X30ML10T20 42986,47481 r180 top (schematic designator R8)
R8_H "CRCW06030000Z0EA" RESC1609X55X30ML10T20 42986,54961 r180 top (schematic designator R8)
R9_A "CRCW06030000Z0EA" RESC1609X55X30ML10T20 42457,60641 r90 top (schematic designator R9)
R9_B "CRCW06030000Z0EA" RESC1609X55X30ML10T20 39933,59137 r180 top (schematic designator R9)
R9_C "CRCW06030000Z0EA" RESC1609X55X30ML10T20 39933,54412 r180 top (schematic designator R9)
R9_D "CRCW06030000Z0EA" RESC1609X55X30ML10T20 39933,46932 r180 top (schematic designator R9)
R9_E "CRCW06030000Z0EA" RESC1609X55X30ML10T20 42457,40146 r270 top (schematic designator R9)
R9_F "CRCW06030000Z0EA" RESC1609X55X30ML10T20 43138,41651 r0 top (schematic designator R9)
R9_G "CRCW06030000Z0EA" RESC1609X55X30ML10T20 43138,47556 r0 top (schematic designator R9)
R9_H "CRCW06030000Z0EA" RESC1609X55X30ML10T20 43138,55036 r0 top (schematic designator R9)
R10_A "CRCW06030000Z0EA" RESC1609X55X30ML10T20 42432,60489 r270 top (schematic designator R10)
R10_B "CRCW06030000Z0EA" RESC1609X55X30ML10T20 40085,59112 r0 top (schematic designator R10)
R10_C "CRCW06030000Z0EA" RESC1609X55X30ML10T20 40085,54387 r0 top (schematic designator R10)
R10_D "CRCW06030000Z0EA" RESC1609X55X30ML10T20 40085,46907 r0 top (schematic designator R10)
R10_E "CRCW06030000Z0EA" RESC1609X55X30ML10T20 42432,40298 r90 top (schematic designator R10)
R10_F "CRCW06030000Z0EA" RESC1609X55X30ML10T20 42986,41676 r180 top (schematic designator R10)
R10_G "CRCW06030000Z0EA" RESC1609X55X30ML10T20 42986,47581 r180 top (schematic designator R10)
R10_H "CRCW06030000Z0EA" RESC1609X55X30ML10T20 42986,55061 r180 top (schematic designator R10)
R11_A "CRCW06030000Z0EA" RESC1609X55X30ML10T20 42357,60641 r90 top (schematic designator R11)
R11_B "CRCW06030000Z0EA" RESC1609X55X30ML10T20 39933,59037 r180 top (schematic designator R11)
R11_C "CRCW06030000Z0EA" RESC1609X55X30ML10T20 39933,54312 r180 top (schematic designator R11)
R11_D "CRCW06030000Z0EA" RESC1609X55X30ML10T20 39933,46832 r180 top (schematic designator R11)
R11_E "CRCW06030000Z0EA" RESC1609X55X30ML10T20 42357,40146 r270 top (schematic designator R11)
R11_F "CRCW06030000Z0EA" RESC1609X55X30ML10T20 43138,41751 r0 top (schematic designator R11)
R11_G "CRCW06030000Z0EA" RESC1609X55X30ML10T20 43138,47656 r0 top (schematic designator R11)
R11_H "CRCW06030000Z0EA" RESC1609X55X30ML10T20 43138,55136 r0 top (schematic designator R11)
R12_A "CRCW06030000Z0EA" RESC1609X55X30ML10T20 42332,60489 r270 top (schematic designator R12)
R12_B "CRCW06030000Z0EA" RESC1609X55X30ML10T20 40085,59012 r0 top (schematic designator R12)
R12_C "CRCW06030000Z0EA" RESC1609X55X30ML10T20 40085,54287 r0 top (schematic designator R12)
R12_D "CRCW06030000Z0EA" RESC1609X55X30ML10T20 40085,46807 r0 top (schematic designator R12)
R12_E "CRCW06030000Z0EA" RESC1609X55X30ML10T20 42332,40298 r90 top (schematic designator R12)
R12_F "CRCW06030000Z0EA" RESC1609X55X30ML10T20 42986,41776 r180 top (schematic designator R12)
R12_G "CRCW06030000Z0EA" RESC1609X55X30ML10T20 42986,47681 r180 top (schematic designator R12)
R12_H "CRCW06030000Z0EA" RESC1609X55X30ML10T20 42986,55161 r180 top (schematic designator R12)
R13_A "CRCW06030000Z0EA" RESC1609X55X30ML10T20 42257,60641 r90 top (schematic designator R13)
R13_B "CRCW06030000Z0EA" RESC1609X55X30ML10T20 39933,58937 r180 top (schematic designator R13)
R13_C "CRCW06030000Z0EA" RESC1609X55X30ML10T20 39933,54212 r180 top (schematic designator R13)
R13_D "CRCW06030000Z0EA" RESC1609X55X30ML10T20 39933,46732 r180 top (schematic designator R13)
R13_E "CRCW06030000Z0EA" RESC1609X55X30ML10T20 42257,40146 r270 top (schematic designator R13)
R13_F "CRCW06030000Z0EA" RESC1609X55X30ML10T20 43138,41851 r0 top (schematic designator R13)
R13_G "CRCW06030000Z0EA" RESC1609X55X30ML10T20 43138,47756 r0 top (schematic designator R13)
R13_H "CRCW06030000Z0EA" RESC1609X55X30ML10T20 43138,55236 r0 top (schematic designator R13)
R14_A "CRCW06030000Z0EA" RESC1609X55X30ML10T20 42232,60489.33 r270 top (schematic designator R14)
R14_B "CRCW06030000Z0EA" RESC1609X55X30ML10T20 40084.67,58912 r0 top (schematic designator R14)
R14_C "CRCW06030000Z0EA" RESC1609X55X30ML10T20 40084.67,54187 r0 top (schematic designator R14)
R14_D "CRCW06030000Z0EA" RESC1609X55X30ML10T20 40084.67,46707 r0 top (schematic designator R14)
R14_E "CRCW06030000Z0EA" RESC1609X55X30ML10T20 42232,40297.67 r90 top (schematic designator R14)
R14_F "CRCW06030000Z0EA" RESC1609X55X30ML10T20 42986.33,41876 r180 top (schematic designator R14)
R14_G "CRCW06030000Z0EA" RESC1609X55X30ML10T20 42986.33,47781 r180 top (schematic designator R14)
R14_H "CRCW06030000Z0EA" RESC1609X55X30ML10T20 42986.33,55261 r180 top (schematic designator R14)
R20_A "CRCW06030000Z0EA" RESC1609X55X30ML10T20 41932,60489 r270 top (schematic designator R20)
R20_B "CRCW06030000Z0EA" RESC1609X55X30ML10T20 40085,58612 r0 top (schematic designator R20)
R20_C "CRCW06030000Z0EA" RESC1609X55X30ML10T20 40085,53887 r0 top (schematic designator R20)
R20_D "CRCW06030000Z0EA" RESC1609X55X30ML10T20 40085,46407 r0 top (schematic designator R20)
R20_E "CRCW06030000Z0EA" RESC1609X55X30ML10T20 41932,40298 r90 top (schematic designator R20)
R20_F "CRCW06030000Z0EA" RESC1609X55X30ML10T20 42986,42176 r180 top (schematic designator R20)
R20_G "CRCW06030000Z0EA" RESC1609X55X30ML10T20 42986,48081 r180 top (schematic designator R20)
R20_H "CRCW06030000Z0EA" RESC1609X55X30ML10T20 42986,55561 r180 top (schematic designator R20)
R22_A "CRCW06030000Z0EA" RESC1609X55X30ML10T20 41832,60489 r270 top (schematic designator R22)
R22_B "CRCW06030000Z0EA" RESC1609X55X30ML10T20 40085,58512 r0 top (schematic designator R22)
R22_C "CRCW06030000Z0EA" RESC1609X55X30ML10T20 40085,53787 r0 top (schematic designator R22)
R22_D "CRCW06030000Z0EA" RESC1609X55X30ML10T20 40085,46307 r0 top (schematic designator R22)
R22_E "CRCW06030000Z0EA" RESC1609X55X30ML10T20 41832,40298 r90 top (schematic designator R22)
R22_F "CRCW06030000Z0EA" RESC1609X55X30ML10T20 42986,42276 r180 top (schematic designator R22)
R22_G "CRCW06030000Z0EA" RESC1609X55X30ML10T20 42986,48181 r180 top (schematic designator R22)
R22_H "CRCW06030000Z0EA" RESC1609X55X30ML10T20 42986,55661 r180 top (schematic designator R22)
R30_A "CRCW06030000Z0EA" RESC1609X55X30ML10T20 41432,60489 r270 top (schematic designator R30)
R30_B "CRCW06030000Z0EA" RESC1609X55X30ML10T20 40085,58112 r0 top (schematic designator R30)
R30_C "CRCW06030000Z0EA" RESC1609X55X30ML10T20 40085,53387 r0 top (schematic designator R30)
R30_D "CRCW06030000Z0EA" RESC1609X55X30ML10T20 40085,45907 r0 top (schematic designator R30)
R30_E "CRCW06030000Z0EA" RESC1609X55X30ML10T20 41432,40298 r90 top (schematic designator R30)
R30_F "CRCW06030000Z0EA" RESC1609X55X30ML10T20 42986,42676 r180 top (schematic designator R30)
R30_G "CRCW06030000Z0EA" RESC1609X55X30ML10T20 42986,48581 r180 top (schematic designator R30)
R30_H "CRCW06030000Z0EA" RESC1609X55X30ML10T20 42986,56061 r180 top (schematic designator R30)
R33_A "CRCW06030000Z0EA" RESC1609X55X30ML10T20 41257,60641 r90 top (schematic designator R33)
R33_B "CRCW06030000Z0EA" RESC1609X55X30ML10T20 39933,57937 r180 top (schematic designator R33)
R33_C "CRCW06030000Z0EA" RESC1609X55X30ML10T20 39933,53212 r180 top (schematic designator R33)
R33_D "CRCW06030000Z0EA" RESC1609X55X30ML10T20 39933,45732 r180 top (schematic designator R33)
R33_E "CRCW06030000Z0EA" RESC1609X55X30ML10T20 41257,40146 r270 top (schematic designator R33)
R33_F "CRCW06030000Z0EA" RESC1609X55X30ML10T20 43138,42851 r0 top (schematic designator R33)
R33_G "CRCW06030000Z0EA" RESC1609X55X30ML10T20 43138,48756 r0 top (schematic designator R33)
R33_H "CRCW06030000Z0EA" RESC1609X55X30ML10T20 43138,56236 r0 top (schematic designator R33)
R35_A "CRCW06030000Z0EA" RESC1609X55X30ML10T20 41157,60641 r270 top (schematic designator R35)
R35_B "CRCW06030000Z0EA" RESC1609X55X30ML10T20 39933,57837 r0 top (schematic designator R35)
R35_C "CRCW06030000Z0EA" RESC1609X55X30ML10T20 39933,53112 r0 top (schematic designator R35)
R35_D "CRCW06030000Z0EA" RESC1609X55X30ML10T20 39933,45632 r0 top (schematic designator R35)
R35_E "CRCW06030000Z0EA" RESC1609X55X30ML10T20 41157,40146 r90 top (schematic designator R35)
R35_F "CRCW06030000Z0EA" RESC1609X55X30ML10T20 43138,42951 r180 top (schematic designator R35)
R35_G "CRCW06030000Z0EA" RESC1609X55X30ML10T20 43138,48856 r180 top (schematic designator R35)
R35_H "CRCW06030000Z0EA" RESC1609X55X30ML10T20 43138,56336 r180 top (schematic designator R35)
R37_A "CRCW06030000Z0EA" RESC1609X55X30ML10T20 41057,60641 r90 top (schematic designator R37)
R37_B "CRCW06030000Z0EA" RESC1609X55X30ML10T20 39933,57737 r180 top (schematic designator R37)
R37_C "CRCW06030000Z0EA" RESC1609X55X30ML10T20 39933,53012 r180 top (schematic designator R37)
R37_D "CRCW06030000Z0EA" RESC1609X55X30ML10T20 39933,45532 r180 top (schematic designator R37)
R37_E "CRCW06030000Z0EA" RESC1609X55X30ML10T20 41057,40146 r270 top (schematic designator R37)
R37_F "CRCW06030000Z0EA" RESC1609X55X30ML10T20 43138,43051 r0 top (schematic designator R37)
R37_G "CRCW06030000Z0EA" RESC1609X55X30ML10T20 43138,48956 r0 top (schematic designator R37)
R37_H "CRCW06030000Z0EA" RESC1609X55X30ML10T20 43138,56436 r0 top (schematic designator R37)
R39_A "CRCW06030000Z0EA" RESC1609X55X30ML10T20 40957,60641 r90 top (schematic designator R39)
R39_B "CRCW06030000Z0EA" RESC1609X55X30ML10T20 39933,57637 r180 top (schematic designator R39)
R39_C "CRCW06030000Z0EA" RESC1609X55X30ML10T20 39933,52912 r180 top (schematic designator R39)
R39_D "CRCW06030000Z0EA" RESC1609X55X30ML10T20 39933,45432 r180 top (schematic designator R39)
R39_E "CRCW06030000Z0EA" RESC1609X55X30ML10T20 40957,40146 r270 top (schematic designator R39)
R39_F "CRCW06030000Z0EA" RESC1609X55X30ML10T20 43138,43151 r0 top (schematic designator R39)
R39_G "CRCW06030000Z0EA" RESC1609X55X30ML10T20 43138,49056 r0 top (schematic designator R39)
R39_H "CRCW06030000Z0EA" RESC1609X55X30ML10T20 43138,56536 r0 top (schematic designator R39)
R41_A "CRCW06030000Z0EA" RESC1609X55X30ML10T20 40857,60641 r90 top (schematic designator R41)
R41_B "CRCW06030000Z0EA" RESC1609X55X30ML10T20 39933,57537 r180 top (schematic designator R41)
R41_C "CRCW06030000Z0EA" RESC1609X55X30ML10T20 39933,52812 r180 top (schematic designator R41)
R41_D "CRCW06030000Z0EA" RESC1609X55X30ML10T20 39933,45332 r180 top (schematic designator R41)
R41_E "CRCW06030000Z0EA" RESC1609X55X30ML10T20 40857,40146 r270 top (schematic designator R41)
R41_F "CRCW06030000Z0EA" RESC1609X55X30ML10T20 43138,43251 r0 top (schematic designator R41)
R41_G "CRCW06030000Z0EA" RESC1609X55X30ML10T20 43138,49156 r0 top (schematic designator R41)
R41_H "CRCW06030000Z0EA" RESC1609X55X30ML10T20 43138,56636 r0 top (schematic designator R41)
R43_A "CRCW06030000Z0EA" RESC1609X55X30ML10T20 40757,60641 r90 top (schematic designator R43)
R43_B "CRCW06030000Z0EA" RESC1609X55X30ML10T20 39933,57437 r180 top (schematic designator R43)
R43_C "CRCW06030000Z0EA" RESC1609X55X30ML10T20 39933,52712 r180 top (schematic designator R43)
R43_D "CRCW06030000Z0EA" RESC1609X55X30ML10T20 39933,45232 r180 top (schematic designator R43)
R43_E "CRCW06030000Z0EA" RESC1609X55X30ML10T20 40757,40146 r270 top (schematic designator R43)
R43_F "CRCW06030000Z0EA" RESC1609X55X30ML10T20 43138,43351 r0 top (schematic designator R43)
R43_G "CRCW06030000Z0EA" RESC1609X55X30ML10T20 43138,49256 r0 top (schematic designator R43)
R43_H "CRCW06030000Z0EA" RESC1609X55X30ML10T20 43138,56736 r0 top (schematic designator R43)
R45_A "CRCW06030000Z0EA" RESC1609X55X30ML10T20 40657,60641 r90 top (schematic designator R45)
R45_B "CRCW06030000Z0EA" RESC1609X55X30ML10T20 39933,57337 r180 top (schematic designator R45)
R45_C "CRCW06030000Z0EA" RESC1609X55X30ML10T20 39933,52612 r180 top (schematic designator R45)
R45_D "CRCW06030000Z0EA" RESC1609X55X30ML10T20 39933,45132 r180 top (schematic designator R45)
R45_E "CRCW06030000Z0EA" RESC1609X55X30ML10T20 40657,40146 r270 top (schematic designator R45)
R45_F "CRCW06030000Z0EA" RESC1609X55X30ML10T20 43138,43451 r0 top (schematic designator R45)
R45_G "CRCW06030000Z0EA" RESC1609X55X30ML10T20 43138,49356 r0 top (schematic designator R45)
R45_H "CRCW06030000Z0EA" RESC1609X55X30ML10T20 43138,56836 r0 top (schematic designator R45)
R47_A "CRCW06030000Z0EA" RESC1609X55X30ML10T20 40557,60641 r90 top (schematic designator R47)
R47_B "CRCW06030000Z0EA" RESC1609X55X30ML10T20 39933,57237 r180 top (schematic designator R47)
R47_C "CRCW06030000Z0EA" RESC1609X55X30ML10T20 39933,52512 r180 top (schematic designator R47)
R47_D "CRCW06030000Z0EA" RESC1609X55X30ML10T20 39933,45032 r180 top (schematic designator R47)
R47_E "CRCW06030000Z0EA" RESC1609X55X30ML10T20 40557,40146 r270 top (schematic designator R47)
R47_F "CRCW06030000Z0EA" RESC1609X55X30ML10T20 43138,43551 r0 top (schematic designator R47)
R47_G "CRCW06030000Z0EA" RESC1609X55X30ML10T20 43138,49456 r0 top (schematic designator R47)
R47_H "CRCW06030000Z0EA" RESC1609X55X30ML10T20 43138,56936 r0 top (schematic designator R47)
R49_A "CRCW06030000Z0EA" RESC1609X55X30ML10T20 40457,60641 r90 top (schematic designator R49)
R49_B "CRCW06030000Z0EA" RESC1609X55X30ML10T20 39933,57137 r180 top (schematic designator R49)
R49_C "CRCW06030000Z0EA" RESC1609X55X30ML10T20 39933,52412 r180 top (schematic designator R49)
R49_D "CRCW06030000Z0EA" RESC1609X55X30ML10T20 39933,44932 r180 top (schematic designator R49)
R49_E "CRCW06030000Z0EA" RESC1609X55X30ML10T20 40457,40146 r270 top (schematic designator R49)
R49_F "CRCW06030000Z0EA" RESC1609X55X30ML10T20 43138,43651 r0 top (schematic designator R49)
R49_G "CRCW06030000Z0EA" RESC1609X55X30ML10T20 43138,49556 r0 top (schematic designator R49)
R49_H "CRCW06030000Z0EA" RESC1609X55X30ML10T20 43138,57036 r0 top (schematic designator R49)
R51_A "CRCW06030000Z0EA" RESC1609X55X30ML10T20 40357,60641 r90 top (schematic designator R51)
R51_B "CRCW06030000Z0EA" RESC1609X55X30ML10T20 39933,57037 r180 top (schematic designator R51)
R51_C "CRCW06030000Z0EA" RESC1609X55X30ML10T20 39933,52312 r180 top (schematic designator R51)
R51_D "CRCW06030000Z0EA" RESC1609X55X30ML10T20 39933,44832 r180 top (schematic designator R51)
R51_E "CRCW06030000Z0EA" RESC1609X55X30ML10T20 40357,40146 r270 top (schematic designator R51)
R51_F "CRCW06030000Z0EA" RESC1609X55X30ML10T20 43138,43751 r0 top (schematic designator R51)
R51_G "CRCW06030000Z0EA" RESC1609X55X30ML10T20 43138,49656 r0 top (schematic designator R51)
R51_H "CRCW06030000Z0EA" RESC1609X55X30ML10T20 43138,57136 r0 top (schematic designator R51)
R101_A "CRCW06030000Z0EA" RESC1609X55X30ML10T20 40431.67,60489 r270 top (schematic designator R101)
R101_B "CRCW06030000Z0EA" RESC1609X55X30ML10T20 40085,57111.67 r0 top (schematic designator R101)
R101_C "CRCW06030000Z0EA" RESC1609X55X30ML10T20 40085,52386.67 r0 top (schematic designator R101)
R101_D "CRCW06030000Z0EA" RESC1609X55X30ML10T20 40085,44906.67 r0 top (schematic designator R101)
R101_E "CRCW06030000Z0EA" RESC1609X55X30ML10T20 40431.67,40298 r90 top (schematic designator R101)
R101_F "CRCW06030000Z0EA" RESC1609X55X30ML10T20 42986,43676.33 r180 top (schematic designator R101)
R101_G "CRCW06030000Z0EA" RESC1609X55X30ML10T20 42986,49581.33 r180 top (schematic designator R101)
R101_H "CRCW06030000Z0EA" RESC1609X55X30ML10T20 42986,57061.33 r180 top (schematic designator R101)
R102_A "CRCW06030000Z0EA" RESC1609X55X30ML10T20 40376.67,60489 r90 top (schematic designator R102)
R102_B "CRCW06030000Z0EA" RESC1609X55X30ML10T20 40085,57056.67 r180 top (schematic designator R102)
R102_C "CRCW06030000Z0EA" RESC1609X55X30ML10T20 40085,52331.67 r180 top (schematic designator R102)
R102_D "CRCW06030000Z0EA" RESC1609X55X30ML10T20 40085,44851.67 r180 top (schematic designator R102)
R102_E "CRCW06030000Z0EA" RESC1609X55X30ML10T20 40376.67,40298 r270 top (schematic designator R102)
R102_F "CRCW06030000Z0EA" RESC1609X55X30ML10T20 42986,43731.33 r0 top (schematic designator R102)
R102_G "CRCW06030000Z0EA" RESC1609X55X30ML10T20 42986,49636.33 r0 top (schematic designator R102)
R102_H "CRCW06030000Z0EA" RESC1609X55X30ML10T20 42986,57116.33 r0 top (schematic designator R102)
R103_A "CRCW06030000Z0EA" RESC1609X55X30ML10T20 40306.67,60489 r90 top (schematic designator R103)
R103_B "CRCW06030000Z0EA" RESC1609X55X30ML10T20 40085,56986.67 r180 top (schematic designator R103)
R103_C "CRCW06030000Z0EA" RESC1609X55X30ML10T20 40085,52261.67 r180 top (schematic designator R103)
R103_D "CRCW06030000Z0EA" RESC1609X55X30ML10T20 40085,44781.67 r180 top (schematic designator R103)
R103_E "CRCW06030000Z0EA" RESC1609X55X30ML10T20 40306.67,40298 r270 top (schematic designator R103)